# Altium PCB MB1849_LP.PcbDoc (part 1 of 2) (continued)
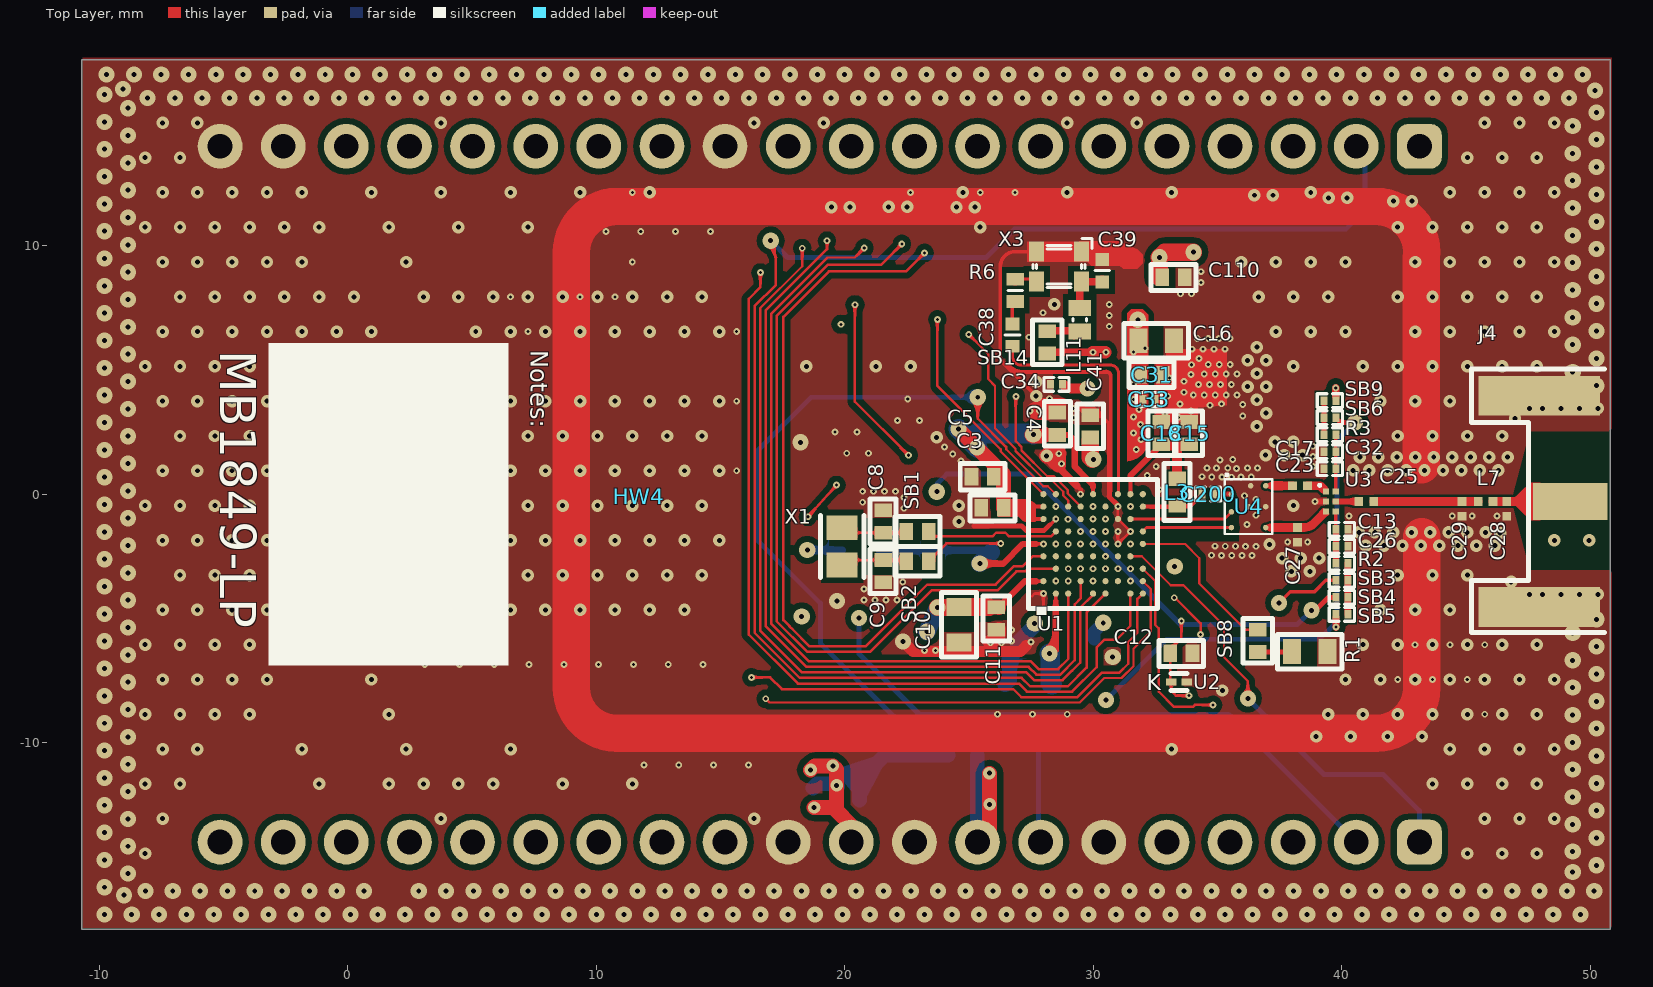
[diagram p0: Top Layer view]
## Footprints (in the part's own frame and the unit in brackets; to place one, negate y for a bottom-side part, rotate by r counter-clockwise, add the part's x,y. Pads: shape width x height; smd on the part's side, far side on the other; paste and mask are expansions set on the pad)
0201 [mm]
  rect 0.28x0.35 smd: 1(0,0) 2(0.48,0)
  silkscreen extent -0.27,-0.28 0.75,0.28, body extent -0.06,-0.15 0.54,0.15, height 0.3
BGA73C50P9X9_500X500X60 [mm] "BGA, 73-Leads, Body 5.00x5.00mmx0.60mm, Pitch 0.50mm"
  round 0.25 smd mask+0.05: A1(-2,2) A2(-1.5,2) A4(-0.5,2) A5(0,2) A7(1,2) A8(1.5,2) A9(2,2) B1(-2,1.5) B2(-1.5,1.5) B3(-1,1.5) B4(-0.5,1.5) B5(0,1.5) B6(0.5,1.5) B7(1,1.5) B8(1.5,1.5) B9(2,1.5) C1(-2,1) C2(-1.5,1) C3(-1,1) C4(-0.5,1) C5(0,1) C6(0.5,1) C7(1,1) C8(1.5,1) D2(-1.5,0.5) D3(-1,0.5) D4(-0.5,0.5) D5(0,0.5) D6(0.5,0.5) D7(1,0.5) D8(1.5,0.5) D9(2,0.5) E1(-2,0) E2(-1.5,0) E3(-1,0) E4(-0.5,0) E5(0,0) E6(0.5,0) E7(1,0) E8(1.5,0) E9(2,0) F1(-2,-0.5) F2(-1.5,-0.5) F3(-1,-0.5) F4(-0.5,-0.5) F5(0,-0.5) F6(0.5,-0.5) F7(1,-0.5) F8(1.5,-0.5) G2(-1.5,-1) G3(-1,-1) G4(-0.5,-1) G5(0,-1) G6(0.5,-1) G7(1,-1) G8(1.5,-1) G9(2,-1) H1(-2,-1.5) H2(-1.5,-1.5) H3(-1,-1.5) H4(-0.5,-1.5) H5(0,-1.5) H6(0.5,-1.5) H7(1,-1.5) H8(1.5,-1.5) H9(2,-1.5) J1(-2,-2) J2(-1.5,-2) J3(-1,-2) J5(0,-2) J6(0.5,-2) J8(1.5,-2) J9(2,-2)
  silkscreen extent -2.6,-2.6 2.6,2.6, body extent -2.5,-2.5 2.5,2.5, height 0.6
C0402 [mm]
  rect 0.51x0.56 smd mask+0.05: 1(-0.45,0) 2(0.45,0)
  silkscreen extent 0,-0.3 0,0.3, body extent -0.5,-0.31 0.5,0.31, height 0.4
CAPC1005X06N [mm] "Chip Capacitor, 2-Leads, Body 1.00x0.50x0.60mm (0402)"
  rect 0.55x0.7 smd: 1(-0.45,0) 2(0.45,0)
  silkscreen extent -0.9,-0.52 0.9,0.53, body extent -0.5,-0.25 0.5,0.25, height 0.6
CAPC1608X09N [mm] "Chip Capacitor, 2-Leads, Body 1.60x0.80x0.90mm (0603)"
  rect 0.725x1 smd: 1(-0.712,0) 2(0.712,0)
  Top Layer pour cut-out: -0.3,0.7 0.3,0.7 0.3,-0.7 -0.3,-0.7
  silkscreen extent -1.3,-0.7 1.3,0.7, body extent -0.8,-0.4 0.8,0.4, height 0.9
CO_SAMTEC_TSW-120-07-X-S [mm] "Header, 20-Leads, 50.80x2.54x10.80mm, Pitch 2.54mm"
  rrect50% 1.8x1.8 hole 1: 1(-24.13,0)
  round 1.8 hole 1: 2(-21.59,0) 3(-19.05,0) 4(-16.51,0) 5(-13.97,0) 6(-11.43,0) 7(-8.89,0) 8(-6.35,0) 9(-3.81,0) 10(-1.27,0) 11(1.27,0) 12(3.81,0) 13(6.35,0) 14(8.89,0) 15(11.43,0) 16(13.97,0) 17(16.51,0) 18(19.05,0) 19(21.59,0) 20(24.13,0)
  silkscreen extent -25.4,-1.27 25.4,1.27, body extent -25.46,-1.27 25.46,1.27, height 8.38
CRY_NDK_NT2016SB_4P [mm] "MCD-01492"
  rect 0.6x0.8 smd mask+0.05: 1(-0.9,-0.6) 2(0.9,-0.6) 3(0.9,0.6) 4(-0.9,0.6)
  silkscreen extent -1.32,-1.12 1.05,0.85, body extent -1.05,-0.85 1.05,0.85, height 0.81
DIOM0603X03N [mm] "Molded Diode, 2-Leads, Body 0.60x0.30mm"
  rect 0.425x0.3 smd: 1(-0.312,0) 2(0.312,0)
  silkscreen extent -0.33,-0.35 0.33,0.35, body extent -0.32,-0.18 0.33,0.18, height 0.33
IMPEDANCE_TABLE [mm]
IND_0402_MURATA_BLM15H_H0P5 [mm]
  rect 0.65x0.9 smd mask+0.05: 1(-0.475,0) 2(0.475,0)
  silkscreen extent -0.05,-0.28 0.05,0.28, body extent -0.53,-0.28 0.52,0.28, height 0.55
IND_MURATA_LQW15A [mm]
  rect 0.582x0.7 smd: 1(-0.53,0) 2(0.53,0)
  silkscreen extent -1.14,-0.53 1.14,0.53, body extent -0.5,-0.3 0.5,0.3, height 0.51
INDC1608X95N [mm] "Chip Inductor, 2-Leads, Body 1.75x0.95x0.95mm (0603)"
  rect 1.1x0.95 smd: 1(-0.75,0) 2(0.75,0)
  silkscreen extent -1.55,-0.72 1.55,0.72, body extent -0.8,-0.48 0.8,0.47, height 0.8
INDC2012X13N [mm] "Chip Inductor, 2-Leads, Body 2.0x1.2x1.3 (0805)"
  rect 0.96x1.4 smd: 1(-0.952,0) 2(0.952,0)
  silkscreen extent -1.65,-0.9 1.65,0.9, body extent -1,-0.65 1,0.65, height 1.18
"IPD STM" [mm] "IPD STM STM32WL, Body 2.20 x 1.90 x 0.710 mm (LxWxH max)"
  round 0.22 smd mask+0.05: 1(0.69,-0.5) 2(0.69,0.84) 3(0.69,0.21) 4(-0.69,0.84) 5(-0.69,0) 6(-0.69,-0.84) 7(-0.085,-0.84) 8(0,0)
  silkscreen extent -0.95,-1.33 0.95,1.1, body extent -0.84,-1 0.84,1, height 0.71
LOGO_MAIN [mm]
  silkscreen extent -3.24,-3.02 3.65,3.22
LOGO_ST [mm]
OSC_NDK_NX2012SA [mm] "Crystal, 2-Leads, Body 2.05x1.20x0.55mm (Tol:-/+0.05)"
  rect 1x1.25 smd: 1(-0.75,0) 2(0.75,0)
  silkscreen extent -1.25,-0.87 1.25,0.87, body extent -1.04,-0.63 1.03,0.63, height 0.55
R0402 [mm]
  rect 0.51x0.7 smd mask+0.05: 1(-0.45,0) 2(0.45,0)
  silkscreen extent 0,-0.3 0,0.3, body extent -0.52,-0.31 0.52,0.31, height 0.4
RESC1608X05N [mm] "Chip Resistor, 2-Leads, Body 1.60x0.80mm (0603)"
  rect 0.725x1 smd: 1(-0.713,0) 2(0.713,0)
  Top Layer pour cut-out: -0.3,0.7 0.3,0.7 0.3,-0.7 -0.3,-0.7
  silkscreen extent -1.3,-0.7 1.3,0.7, body extent -0.77,-0.42 0.78,0.43, height 0.45
rlc_201_smd [mm]
  rect 0.35x0.35 smd paste+0 mask+0.025: 1(-0.3,0) 2(0.3,0)
  body extent -0.3,-0.15 0.3,0.15, height 0.5
SB_0402 [mm] "Solder Bridge 0 Ohm (0402)"
  rect 0.55x0.7 smd: 1(-0.45,0) 2(0.45,0)
  silkscreen extent -0.9,-0.6 0.9,0.6, body extent -0.5,-0.25 0.5,0.25, height 0.25
SMA_AMPHENOL_50OHMS_EDGE_PCB [mm] "RF Connector, SMA End Launch Jack for 0.047 inch (1.19 mm thickness) PCB, 50 Ohm, Flat Tab Contact"
  rect 1.5x3 smd mask+0.05: 1(0,1.5)
  rect 1.6x4.9 smd mask+0.05: 2(-4.25,2.75) 2(4.25,2.75)
  rect 1.6x4.9 smd far side mask+0.05: 2(-4.25,2.75) 2(4.25,2.75)
  silkscreen extent -5.27,0.13 5.33,5.47, body extent -4.76,-9.65 4.76,4.62, height 4.09
TSNP-6-2 [mm] "TSNP-6-2; Body 1.1 x 0.7 mm (LxW typ)"
  rect 0.25x0.25 smd paste-0.025 mask+0.025: 1(-0.2,0.4) 2(-0.2,0) 3(-0.2,-0.4) 4(0.2,-0.4) 5(0.2,0) 6(0.2,0.4)
  silkscreen extent -0.5,0.6 -0.4,0.7, body extent -0.35,-0.55 0.35,0.55, height 0.45

## Part data
C1 C6 C10 C16 C35: library part MCD-00009, "Capacitor, MLCC, 4.7uF, 16V, X5R, 10%, 0603, T=0.8mm"
C2 C3 C4 C5 C7 C11 C12 C24 C31 C37 C41 C110: library part MCD-00102, "Capacitor, MLCC, 100nF, 16V, X7R, 10%, 0402, T=0,5mm"
C8 C9: library part MCD-00003, "Capacitor, MLCC, 5.1 pF, 50V, NPO, +-0.1pF, 0402, T=0.5mm"
C13 C23: "Multilayer ceramic capacitors X7R ±10%, 50V"
C14: library part MCD-00009, "Multilayer Ceramic Capacitors MLCC - SMD/SMT 16V 0.47uF X5R 0603 10%"
C15: library part MCD-01123, "Capacitor, MLCC,68pF, 50V, C0G, 1%, 0402, T=0.5mm"
C17 C25: "Multilayer ceramic capacitors COG ±5%, 50V"
C18: library part MCD-01123, "Capacitor, MLCC,47nF, 16V, X7R, 10%, 0402, T=0.5mm"
C26 C32: "Capacitor, MLCC, 100nF, 16V, X7R, 10%, 0402, T=0,5mm"
C27: library part RFCapacitor_201, "RF Capacitor High-Q, 0201"
C28 C29: "RF Capacitor High-Q, 0201"
C33 C34: library part MCD-00277, "Multilayer Ceramic Capacitors MLCC - SMD/SMT 0201 33pF 25volts C0G 5%"
C38: library part MCD-00015, "Capacitor, MLCC, 10pF, 50V, NPO, +/-5%, 0402, T=0,5mm"
C39: library part MCD-00011, "Capacitor, MLCC, 10nF, 16V, X7R, 10%, 0402, T=0.5mm"
C200: "Multilayer ceramic capacitors COG +/-5%, 50V"
CN1 CN2: "Connector right-angle, pitch 2.54mm, 20 contacts"
Designator16: library part MCD-00279
HW2: library part MCD-00627, "\"Hand\" ESD logo footprint for PCB"
HW4: library part MCD-00625, "\"STMicroelectronics\" logo footprint for PCB"
J4: library part SMA_thickness_1.19mm_AMPHENOL, "RF Connector, SMA End Launch Jack for 0.047 inch PCB, 50 Ohm, Flat Tab Contact"
L1: library part MCD-00047, "Ferrite Beads 0603 600 OHM"
L2: library part MCD-01433, "MLZ2012 Multilayer Shielded Inductor 15µH, ±5%"
L3: library part MCD-01330, "RF Inductor"
L7: library part RFInductor_201, "Thick Film Resistor ±5%, 1/20W"
L11: library part MCD-01610, "ferrite bead, 1400ohms at 1GHz, 250mA, 1.1ohms DC max"
R1: library part MCD-00220, "Resistor,10K,0603,1%,1/10W"
R2 R3: "Thick Film Resistors - SMD 1/20watt 100ohms 5% 200ppm"
R6: library part MCD-00427, "Resistor,220R,0402,1%,1/16W"
SB1 SB2 SB8 SB14: library part SB_0Ohm, "Solder Bridge 0R [0402] (Populated with 0 Ohm)"
SB3 SB6: library part SB_0Ohm, "Thick Film Resistors - SMD 1/20watt ZEROohm Jumper"
SB4 SB5 SB9 SB11: library part SB_Open, "Solder Bridge Open [0402] (Unpopulated)"
U1: library part MCD-01435, "Multiprotocol Wireless 32-bit MCUwith LPWAN Sub-GHz radio solution"
U2: library part MCD-00170, "ESD protection 6V1"
U3: "DC switch - Ultra-Low  SPDT analog switch"
U4: library part "IPD ST STM32WL"
X1: library part MCD-01479, "Crystal 32.768kHz, 6pF, -+20PPM, R=80K, SMD"
X3: library part MCD-01492, "NT2016SA-32M-END4263A"

## Free pads (board coordinates)
  round 0.508 on Mech16: 1(10.421,-43.899) 1(59.268,-43.899)

## Via types
v1: diameter 0.5, hole 0.2, Top Layer to Bottom Layer, 426 vias
v2: diameter 0.65, hole 0.2, Top Layer to Bottom Layer, 349 vias
v3: diameter 0.275, hole 0.125, Top Layer to MidLayer 1, 237 vias

## Nets (pads, with @x,y where several pads share a name; then routed paths per layer and width w, separated by ;. In a path a pad name is that pad's centre, name@x,y a point inside that pad or via, vN(x,y) a via of type N, cw(c..) or ccw(c..) an arc to the next point about the centre after c; other vN are vias at no path point)
GND: C1.1 C2.1 C3.1 C4.1 C5.1 C6.2 C7.2 C8.2 C9.2 C10.2 C11.2 C12.2 C13.2 C14.2 C15.1 C16.2 C18.2 C23.1 C24.2 C26.2 C27.1 C28.2 C29.2 C31.2 C32.2 C33.1 C34.1 C35.2 C37.2 C39.1 C41.2 C110.2 CN1.12 CN1.19 CN1.20 CN2.6 CN2.9 CN2.11 J4.2 R1.1 U1.A1 U1.B7 U1.D9 U1.E3 U1.G5 U1.G6 U1.G7 U1.G8 U1.H6 U2.2 U3.2 U4.5 U4.7 U4.8 X3.1 X3.2 | length 178.7
  Top Layer w0.1: 27.55,-4.1 27.65,-4 v3(28,-4) 28,-4.45 ; 28.26,-1.23 28.277,-1.23 ; v3(31,-1.5) v3(31,-2) v3(31.5,-1.5) U1.G7@31,-1 U1.G8@31,-0.456
  Top Layer w0.15: 27.129,4.929 cw(c27.129,5.562) 26.626,5.177 ; v1@27.614,4.053 26.49,5.177 ; X3.2@27.649,9.76 26.867,9.76 ccw(c26.867,9.159) 26.533,9.658 ccw(c26.867,9.159) 26.368,9.493 ccw(c26.867,9.159) 26.266,9.159 26.266,5.536 ccw(c26.626,5.536) 26.321,5.346 26.435,5.232 ; 28.277,-1.23 28.5,-1.008 v3(28.5,-1) ; v3(29.214,3.454) 30.034,3.454 30.634,2.854 30.634,-0.09 ; 30.529,4.929 cw(c30.529,4.748) 30.71,4.748 30.71,0.135 ccw(c31,0) 30.689,-0.075 cw(c30.634,-0.022) 30.634,-0.098 ; 26.435,5.232 ccw(c26.626,5.536) 26.626,5.177 ; 26.435,5.232 26.49,5.177 ; 26.49,5.177 26.626,5.177
  Top Layer w0.16: 27.129,4.924 30.529,4.924 30.529,4.929
  Top Layer w0.17: 29.338,0.347 29.5,0.185 v3(29.5,0)
  Top Layer w0.2: 25.208,-1.275 27.12,-1.275 27.3,-1.455 28.035,-1.455 28.26,-1.23 ; 30.634,-0.09 U1.G8@31,-0.456
  Top Layer w0.25: v3(38.932,-0.294) 38.935,-0.291 U3.2@39.369,-0.291
  Top Layer w0.3: 28.753,0.932 29.338,0.347
  Top Layer w0.45: v2(22.349,-5.934) 22.749,-6.334 27.072,-6.334 27.312,-6.094
  Top Layer w0.55: 31.606,9.448 31.613,9.454
  Top Layer w0.6: v3@25.865,-5.967 26.204,-5.628 C11.2@26.204,-5.452 ; v1@28.175,1.53 28.145,1.53 v1(28.132,1.544) 28.217,1.629 v3(28.621,1.629) 28.604,1.613 28.604,1.169 v1@28.212,1.561
  Top Layer w0.7: 27.67,3.355 27.708,3.355 v3(27.839,3.355) 28.058,3.355
  Top Layer w1.5: 43.203,1.185 43.203,9.519 ; 43.225,-7.823 43.225,-1.707 ; 43.228,-7.775 cw(c41.378,-7.775) 41.378,-9.625 10.853,-9.625 cw(c10.853,-7.775) 9.003,-7.775 9.003,9.725 cw(c10.853,9.725) 10.853,11.575 41.378,11.575 cw(c41.378,9.725) 43.228,9.725
  MidLayer 1 w0.1: 29.5,-5.45 29.375,-5.325 29.375,-4.675 29.708,-4.342 29.708,-3.292 v3(30,-3) 30.442,-3.442 ; 30.718,-4.6 30.85,-4.733 31.034,-4.916 31.034,-5.434 30.982,-5.486 31.272,-5.776 31.272,-6.066 v2(30.788,-6.55) ; 32.706,-0.294 v3(38.932,-0.294)
  MidLayer 1 w0.12: 30.442,-3.442 30.5,-3.5 30.5,-4.382 30.718,-4.6
  MidLayer 1 w0.2: v3(24.691,1.329) 24.918,1.329 25.049,1.199 25.179,1.199 27.378,-1 v3(28.5,-1) v3@28.415,-0.915 ; 31.932,-0.718 31.932,0.575 ; v3(38.932,-0.294) 39.719,-0.294 v3(40.302,-0.878) ; 40.287,0.475 40.464,0.652 v1(40.464,0.957)
  MidLayer 1 w0.25: v3(31.5,-1.5) 31.5,-1.131 31.245,-0.876 31.932,-0.876 ; 31.932,0.575 v3@32.089,0.732 ; 31.977,-0.876 32.05,-0.95 32.706,-0.294 ; v3(32.539,1.117) 32.544,1.112 32.561,1.112 32.578,1.096 33.881,1.096
  MidLayer 1 w0.3: v3(28.73,1.223) 29.5,0.452 v3(29.5,0) ; 37.831,-2.384 v3(37.831,-1.925) ; 38.635,-2.384 v3(38.635,-1.925) ; v3(38.844,1.111) v3(38.844,1.521) v3(38.844,1.93) ; v3(38.932,-0.294) 39.975,0.298 40.287,0.475 ; v1(44.308,-1.539) 44.451,-1.396 v3(44.451,-0.876) ; v1@45.051,-1.476 v1(45.051,-1.539) 45.254,-1.336 v3(45.254,-0.876) ; 46.253,-1.336 v3(46.253,-0.877)
  MidLayer 2 w0.55: 36.252,6.537 37.096,6.537 38.64,4.993
  other v1: -8.142,-14.458 45.058,-14.458 46.458,-14.458 47.858,-14.458 -7.442,-13.058 3.758,-13.058 16.358,-13.058 45.758,-13.058 47.158,-13.058 48.558,-13.058 -8.142,-11.658 -6.742,-11.658 -1.142,-11.658 1.658,-11.658 3.058,-11.658 4.458,-11.658 5.858,-11.658 8.658,-11.658 11.458,-11.658 43.658,-11.658 45.058,-11.658 46.458,-11.658 47.858,-11.658 -7.442,-10.258 -6.042,-10.258 -1.842,-10.258 2.358,-10.258 6.558,-10.258 33.158,-10.258 44.358,-10.258 45.758,-10.258 47.158,-10.258 48.558,-10.258 38.976,-9.752 40.363,-9.752 41.849,-9.752 43.235,-9.752 -8.142,-8.858 -6.742,-8.858 -5.342,-8.858 -3.942,-8.858 1.658,-8.858 39.458,-8.858 40.858,-8.858 42.258,-8.858 43.658,-8.858 45.058,-8.858 46.458,-8.858 47.858,-8.858 35.2,-7.9 -7.442,-7.458 -6.042,-7.458 -4.642,-7.458 -3.242,-7.458 0.958,-7.458 40.158,-7.458 41.558,-7.458 42.958,-7.458 44.358,-7.458 45.758,-7.458 47.158,-7.458 48.558,-7.458 -8.142,-6.058 -6.742,-6.058 -5.342,-6.058 -3.942,-6.058 -2.542,-6.058 -1.142,-6.058 40.858,-6.058 42.258,-6.058 43.658,-6.058 45.058,-6.058 46.458,-6.058 47.858,-6.058 -7.442,-4.658 -6.042,-4.658 -4.642,-4.658 -3.242,-4.658 -1.842,-4.658 -0.442,-4.658 0.958,-4.658 2.358,-4.658 3.758,-4.658 5.158,-4.658 6.558,-4.658 7.958,-4.658 9.358,-4.658 10.758,-4.658 12.158,-4.658 13.558,-4.658 41.558,-4.658 42.958,-4.658 44.358,-4.658 47.556,-4.035 48.08,-4.035 48.823,-4.035 49.566,-4.035 50.31,-4.035 46.826,-3.53 -6.742,-3.258 -5.342,-3.258 -3.942,-3.258 -2.542,-3.258 -1.142,-3.258 0.258,-3.258 1.658,-3.258 3.058,-3.258 4.458,-3.258 5.858,-3.258 7.258,-3.258 8.658,-3.258 10.058,-3.258 11.458,-3.258 12.858,-3.258 14.258,-3.258 42.258,-3.258 43.658,-3.258 45.058,-3.258 37.981,-3.102 38.724,-3.102 37.609,-2.571 38.352,-2.571 39.095,-2.571 40.964,-2.071 41.707,-2.071 42.45,-2.071 43.193,-2.071 43.936,-2.071 44.679,-2.071 45.423,-2.071 46.166,-2.071 37.099,-2.019 -7.442,-1.858 -6.042,-1.858 -4.642,-1.858 -3.242,-1.858 -1.842,-1.858 -0.442,-1.858 0.958,-1.858 2.358,-1.858 3.758,-1.858 5.158,-1.858 6.558,-1.858 7.958,-1.858 9.358,-1.858 10.758,-1.858 12.158,-1.858 13.558,-1.858 14.958,-1.858 48.558,-1.858 49.958,-1.858 46.376,-1.564 40.692,-1.539 41.335,-1.539 42.078,-1.539 42.821,-1.539 43.564,-1.539 45.794,-1.539 24.598,-1.104 -8.142,-0.458 -6.742,-0.458 -5.342,-0.458 -3.942,-0.458 -2.542,-0.458 -1.142,-0.458 0.258,-0.458 1.658,-0.458 3.058,-0.458 4.458,-0.458 5.858,-0.458 7.258,-0.458 8.658,-0.458 10.058,-0.458 11.458,-0.458 12.858,-0.458 14.258,-0.458 24.598,-0.458 38.058,-0.458 -7.442,0.942 -6.042,0.942 -4.642,0.942 -3.242,0.942 -1.842,0.942 -0.442,0.942 0.958,0.942 2.358,0.942 3.758,0.942 5.158,0.942 6.558,0.942 7.958,0.942 9.358,0.942 10.758,0.942 12.158,0.942 13.558,0.942 14.958,0.942 41.107,0.957 41.85,0.957 42.593,0.957 43.337,0.957 44.08,0.957 44.823,0.957 45.566,0.957 46.309,0.957 40.736,1.488 41.479,1.488 42.222,1.488 42.965,1.488 43.708,1.488 44.452,1.488 45.195,1.488 45.938,1.488 46.681,1.488 36.944,1.574 37.687,1.574 38.43,1.574 37.316,2.106 38.059,2.106 23.706,2.287 -6.742,2.342 -5.342,2.342 -3.942,2.342 -2.542,2.342 -1.142,2.342 0.258,2.342 1.658,2.342 3.058,2.342 4.458,2.342 5.858,2.342 7.258,2.342 8.658,2.342 10.058,2.342 11.458,2.342 12.858,2.342 14.258,2.342 42.258,2.342 43.658,2.342 45.058,2.342 46.458,2.342 36.588,2.731 46.976,3.05 36.96,3.263 47.556,3.451 48.08,3.451 48.823,3.451 49.566,3.451 50.31,3.451 -7.442,3.742 -6.042,3.742 -4.642,3.742 -3.242,3.742 -1.842,3.742 -0.442,3.742 0.958,3.742 2.358,3.742 3.758,3.742 5.158,3.742 6.558,3.742 7.958,3.742 9.358,3.742 10.758,3.742 12.158,3.742 13.558,3.742 14.958,3.742 41.558,3.742 42.958,3.742 44.358,3.742 36.589,3.794 27.708,3.949 36.218,4.326 36.961,4.326 27.708,4.532 36.59,4.857 -8.142,5.142 -6.742,5.142 -5.342,5.142 -3.942,5.142 -2.542,5.142 -1.142,5.142 0.258,5.142 1.658,5.142 3.058,5.142 18.458,5.142 21.258,5.142 22.658,5.142 38.058,5.142 40.858,5.142 42.258,5.142 43.658,5.142 45.058,5.142 46.458,5.142 47.858,5.142 36.219,5.389 36.962,5.389 36.591,5.92 -7.442,6.542 -6.042,6.542 -4.642,6.542 -3.242,6.542 -1.842,6.542 -0.442,6.542 0.958,6.542 5.158,6.542 6.558,6.542 7.958,6.542 9.358,6.542 10.758,6.542 12.158,6.542 13.558,6.542 14.958,6.542 37.358,6.542 38.758,6.542 40.158,6.542 42.958,6.542 44.358,6.542 45.758,6.542 47.158,6.542 48.558,6.542 28.441,7.636 -6.742,7.942 -5.342,7.942 -3.942,7.942 -2.542,7.942 -1.142,7.942 0.258,7.942 3.058,7.942 4.458,7.942 5.858,7.942 7.258,7.942 8.658,7.942 10.058,7.942 11.458,7.942 12.858,7.942 14.258,7.942 36.658,7.942 38.058,7.942 39.458,7.942 42.258,7.942 43.658,7.942 45.058,7.942 46.458,7.942 47.858,7.942 -7.442,9.342 -6.042,9.342 -4.642,9.342 -3.242,9.342 -1.842,9.342 2.358,9.342 35.958,9.342 37.358,9.342 38.758,9.342 40.158,9.342 42.958,9.342 44.358,9.342 45.758,9.342 47.158,9.342 48.558,9.342 -8.142,10.742 -6.742,10.742 -5.342,10.742 -3.942,10.742 -2.542,10.742 -1.142,10.742 1.658,10.742 4.458,10.742 7.258,10.742 25.458,10.742 42.258,10.742 43.658,10.742 45.058,10.742 46.458,10.742 47.858,10.742 19.467,11.55 20.21,11.55 24.503,11.554 25.246,11.554 21.776,11.558 22.519,11.558 42.082,11.793 42.825,11.793 39.477,11.926 40.22,11.926 36.488,12.029 37.231,12.029 -7.442,12.142 -6.042,12.142 -4.642,12.142 -3.242,12.142 -1.842,12.142 0.958,12.142 3.758,12.142 6.558,12.142 9.358,12.142 12.158,12.142 24.758,12.142 28.958,12.142 33.158,12.142 38.758,12.142 44.358,12.142 45.758,12.142 47.158,12.142 48.558,12.142 -8.142,13.542 -6.742,13.542 45.058,13.542 46.458,13.542 47.858,13.542 -7.442,14.942 -6.042,14.942 3.758,14.942 16.358,14.942 19.158,14.942 28.958,14.942 31.758,14.942 45.758,14.942 47.158,14.942 48.558,14.942
  other v2: -9.785,-16.917 -8.685,-16.917 -7.585,-16.917 -6.485,-16.917 -5.385,-16.917 -4.285,-16.917 -3.185,-16.917 -2.085,-16.917 -0.985,-16.917 0.115,-16.917 1.215,-16.917 2.315,-16.917 3.415,-16.917 4.515,-16.917 5.615,-16.917 6.715,-16.917 7.815,-16.917 8.915,-16.917 10.015,-16.917 11.115,-16.917 12.215,-16.917 13.315,-16.917 14.415,-16.917 15.515,-16.917 16.615,-16.917 17.715,-16.917 18.815,-16.917 19.915,-16.917 21.015,-16.917 22.115,-16.917 23.215,-16.917 24.315,-16.917 25.415,-16.917 26.515,-16.917 27.615,-16.917 28.715,-16.917 29.815,-16.917 30.915,-16.917 32.015,-16.917 33.115,-16.917 34.215,-16.917 35.315,-16.917 36.415,-16.917 37.515,-16.917 38.615,-16.917 39.715,-16.917 40.815,-16.917 41.915,-16.917 43.015,-16.917 44.115,-16.917 45.215,-16.917 46.315,-16.917 47.415,-16.917 48.515,-16.917 49.615,-16.917 -8.995,-16.137 -8.135,-15.964 -7.035,-15.964 -5.935,-15.964 -4.835,-15.964 -3.735,-15.964 -2.635,-15.964 -1.535,-15.964 -0.435,-15.964 0.665,-15.964 2.865,-15.964 3.965,-15.964 5.065,-15.964 6.165,-15.964 7.265,-15.964 8.365,-15.964 9.465,-15.964 10.565,-15.964 11.665,-15.964 12.765,-15.964 13.865,-15.964 14.965,-15.964 16.065,-15.964 17.165,-15.964 18.265,-15.964 19.365,-15.964 20.465,-15.964 21.565,-15.964 22.665,-15.964 23.765,-15.964 24.865,-15.964 25.965,-15.964 27.065,-15.964 28.165,-15.964 29.265,-15.964 30.365,-15.964 31.465,-15.964 32.565,-15.964 33.665,-15.964 34.765,-15.964 35.865,-15.964 36.965,-15.964 38.065,-15.964 39.165,-15.964 40.265,-15.964 41.365,-15.964 42.465,-15.964 43.565,-15.964 44.665,-15.964 45.765,-15.964 46.865,-15.964 47.965,-15.964 49.065,-15.964 50.165,-15.964 -9.785,-15.817 -8.832,-15.267 49.3,-15.203 50.253,-14.934 -9.785,-14.717 49.3,-14.384 -8.832,-14.167 50.253,-13.834 -9.785,-13.617 49.3,-13.284 -8.832,-13.067 50.253,-12.734 -9.785,-12.517 49.3,-12.184 -8.832,-11.967 50.253,-11.634 -9.785,-11.417 49.3,-11.084 -8.832,-10.867 50.253,-10.534 -9.785,-10.317 49.3,-9.984 -8.832,-9.767 50.253,-9.434 -9.785,-9.217 49.3,-8.884 -8.832,-8.667 50.253,-8.334 -9.785,-8.117 49.3,-7.784 -8.832,-7.567 50.253,-7.234 -9.785,-7.017 49.3,-6.684 -8.832,-6.467 50.253,-6.134 -9.785,-5.917 49.3,-5.584 -8.832,-5.367 50.253,-5.034 -9.785,-4.817 19.7,-4.3 -8.832,-4.267 -9.785,-3.717 -8.832,-3.167 -9.785,-2.617 -8.832,-2.067 -9.785,-1.517 -8.832,-0.967 -9.785,-0.417 -8.832,0.133 -9.785,0.683 -8.832,1.233 -9.785,1.783 18.221,2.087 -8.832,2.333 -9.785,2.883 -8.832,3.433 -9.785,3.983 50.253,4.366 -8.832,4.533 49.3,4.916 -9.785,5.083 50.253,5.466 -8.832,5.633 49.3,6.016 -9.785,6.183 50.253,6.566 -8.832,6.733 49.3,7.116 -9.785,7.283 50.253,7.666 -8.832,7.833 49.3,8.216 -9.785,8.383 50.253,8.766 -8.832,8.933 49.3,9.316 -9.785,9.483 50.253,9.866 -8.832,10.033 49.3,10.416 -9.785,10.583 50.253,10.966 -8.832,11.133 49.3,11.516 -9.785,11.683 50.253,12.066 -8.832,12.233 49.3,12.616 -9.785,12.783 50.253,13.166 -8.832,13.333 49.3,13.716 -9.785,13.883 50.253,14.266 -8.832,14.433 49.3,14.816 -9.785,14.983 50.253,15.366 -8.832,15.533 -8.048,15.942 -6.948,15.942 -5.848,15.942 -4.748,15.942 -3.648,15.942 -2.548,15.942 -1.448,15.942 -0.348,15.942 0.752,15.942 1.852,15.942 2.952,15.942 4.052,15.942 5.152,15.942 6.252,15.942 7.352,15.942 8.452,15.942 9.552,15.942 10.652,15.942 11.752,15.942 12.852,15.942 13.952,15.942 15.052,15.942 16.152,15.942 17.252,15.942 18.352,15.942 19.452,15.942 20.552,15.942 21.652,15.942 22.752,15.942 23.852,15.942 24.952,15.942 26.052,15.942 27.152,15.942 28.252,15.942 29.352,15.942 30.452,15.942 31.552,15.942 32.652,15.942 33.752,15.942 34.852,15.942 35.952,15.942 37.052,15.942 38.152,15.942 39.252,15.942 40.352,15.942 41.452,15.942 42.552,15.942 43.652,15.942 44.752,15.942 45.852,15.942 46.952,15.942 48.052,15.942 49.152,15.942 -9.785,16.083 50.199,16.25 -9.03,16.301 -9.698,16.895 -8.598,16.895 -7.498,16.895 -6.398,16.895 -5.298,16.895 -4.198,16.895 -3.098,16.895 -1.998,16.895 -0.898,16.895 0.202,16.895 1.302,16.895 2.402,16.895 3.502,16.895 4.602,16.895 5.702,16.895 6.802,16.895 7.902,16.895 9.002,16.895 10.102,16.895 11.202,16.895 12.302,16.895 13.402,16.895 14.502,16.895 15.602,16.895 16.702,16.895 17.802,16.895 18.902,16.895 20.002,16.895 21.102,16.895 22.202,16.895 23.302,16.895 24.402,16.895 25.502,16.895 26.602,16.895 27.702,16.895 28.802,16.895 29.902,16.895 31.002,16.895 32.102,16.895 33.202,16.895 34.302,16.895 35.402,16.895 36.502,16.895 37.602,16.895 38.702,16.895 39.802,16.895 40.902,16.895 42.002,16.895 43.102,16.895 44.202,16.895 45.302,16.895 46.402,16.895 47.502,16.895 48.602,16.895 49.702,16.895
  other v3: 11.929,-10.901 13.329,-10.901 14.729,-10.901 16.129,-10.901 26.158,-8.858 27.558,-8.858 28.958,-8.858 45.758,-8.858 42.258,-7.458 43.658,-7.458 45.058,-7.458 3.104,-6.848 4.504,-6.848 5.904,-6.848 7.304,-6.848 8.704,-6.848 10.104,-6.848 11.504,-6.848 12.904,-6.848 14.304,-6.848 23.218,-6.285 23.659,-6.285 42.958,-6.058 44.358,-6.058 45.758,-6.058 25.872,-5.978 26.313,-5.978 27.495,-5.952 26.724,-5.91 26.723,-5.469 20.78,-4.252 21.221,-4.252 21.662,-4.252 22.103,-4.252 20.78,-3.811 22.343,-3.539 34.76,-2.458 35.17,-2.461 35.58,-2.461 35.989,-2.464 36.399,-2.464 34.91,-2.092 35.32,-2.095 35.73,-2.095 36.139,-2.098 36.549,-2.098 36.194,-1.218 36.558,-0.848 22.388,-0.568 31,-0.5 20.728,-0.326 36.558,-0.216 22.388,-0.127 36.088,-0.062 20.728,0.115 21.169,0.115 21.61,0.115 22.051,0.115 32.663,0.181 34.387,0.704 34.775,0.69 35.179,0.69 35.574,0.684 35.953,0.688 36.362,0.691 32.18,0.759 15.658,0.942 35.764,1.032 34.58,1.049 34.961,1.048 35.419,1.048 36.212,1.057 36.622,1.057 35.112,1.38 35.618,1.399 24.353,1.613 20.086,1.648 20.967,1.648 24.015,1.896 19.617,2.501 20.499,2.501 22.128,2.971 23.009,2.971 29.224,3.075 33.433,3.093 36.021,3.141 32.888,3.259 27.459,3.346 33.945,3.349 34.701,3.577 33.493,3.625 36.021,3.606 35.172,3.637 15.658,3.742 22.541,3.824 28.244,3.84 33.005,3.943 34.033,3.989 34.474,3.989 34.915,3.989 35.356,3.989 35.797,3.989 33.655,4.101 34.24,4.416 34.681,4.416 35.122,4.416 35.563,4.416 33.655,4.542 33.075,4.673 33.942,4.813 34.474,4.842 34.915,4.842 35.356,4.842 35.797,4.842 33.966,5.21 34.634,5.213 35.075,5.213 35.516,5.213 34.266,5.464 33.986,5.835 34.426,5.835 34.867,5.835 35.308,5.835 34.19,6.264 34.631,6.264 35.072,6.264 35.513,6.265 27.418,6.313 7.258,6.542 15.658,6.542 30.649,6.755 30.649,7.196 27.987,7.3 30.649,7.637 6.558,7.942 9.358,7.942 10.758,7.942 33.521,8.066 33.962,8.066 34.337,8.513 34.337,8.954 11.458,9.342 10.399,10.57 11.799,10.57 13.199,10.57 14.599,10.57 11.458,12.142 22.658,12.142 25.458,12.142 26.858,12.142
NetC6_1: C6.1 C7.1 L1.2 U1.A5 U1.B5 | length 8.2
  Top Layer w0.15: 27.7,-2 v3(28,-2)
  Top Layer w0.25: v2@25.623,-2.796 26.378,-2.796 27.174,-2 27.7,-2
  MidLayer 1 w0.1: v3(28,-2) v3(28.5,-2)
  Bottom Layer w0.25: C6.1@23.45,-2.462 C6.1@23.462,-2.45
  Bottom Layer w0.3: L1.2@21.4,-2.262 C6.1@23.55,-2.262 ; C6.1@23.678,-2.266 23.688,-2.256 C7.1@25.89,-2.256
  Bottom Layer w0.7: v2(25.441,-2.788) C7.1@25.9,-2.33
NetC8_1: C8.1 SB1.2 X1.2 | length 2.8
  Top Layer w0.1: X1.2@19.9,-1.75 X1.2@19.95,-1.8 ; X1.2@19.9,-1.35 20.1,-1.55 C8.1@21.55,-1.55 22.431,-1.55 SB1.2@22.481,-1.5
NetC9_1: C9.1 SB2.2 X1.1 | length 3
  Top Layer w0.1: X1.1@19.9,-3.25 X1.1@20.15,-3 ; X1.1@19.9,-2.85 20.1,-2.65 C9.1@21.55,-2.65 22.431,-2.65 SB2.2@22.481,-2.7
NetC12_1: C12.1 CN2.5 U1.F5 U2.1 | length 15.2
  Top Layer w0.1: U2.1@33.1,-7.513 33.1,-6.251 33.55,-5.801 v3(33.55,-5.1) ; U2.1@33.144,-7.557 33.144,-7.92 33.331,-8.108 v3(33.853,-8.108)
  MidLayer 1 w0.1: v3(30.5,-2) 30.96,-2.46 31.923,-2.46 33.193,-3.73 33.447,-3.73 33.703,-3.986 33.703,-4.349 33.55,-4.502 v3(33.55,-5.1) ; CN2.5@32.97,-14 32.97,-11.898 33.853,-11.015 v3(33.853,-8.108)
NetC13_1: C13.1 C26.1 R2.1 U3.4 | length 2.1
  Top Layer w0.15: U3.4@39.769,-0.691 39.769,-1.41 C13.1@39.771,-1.413
  Top Layer w0.25: R2.1@39.771,-2.781 C26.1@39.771,-2.097 C13.1@39.771,-1.413
NetC15_2: C15.2 C18.1 L3.2 U1.H9 | length 5.3
  Top Layer w0.17: U1.H9@31.5,0 31.5,0.74
  Top Layer w0.25: 31.5,0.74 C18.1@32.65,1.889
  Top Layer w0.4: L3.2@33.38,0.707 33.38,2.005 C15.2@33.869,2.005
  Top Layer w0.5: C18.1@32.741,2.005 33.38,2.005 C15.2@33.869,2.005
NetC17_1: C17.1 U3.1 | length 0.7
  Top Layer w0.35: C17.1@38.628,0.34 39.137,0.34 U3.1@39.297,0.181
NetC17_2: C17.2 U4.6 | length 0.5
  Top Layer w0.35: 37.518,0.34 37.721,0.34 C17.2@38.028,0.34
NetC23_2: C23.2 C32.1 R3.1 U3.6 | length 2.1
  Top Layer w0.15: U3.6@39.769,0.109 39.769,0.827 ; C23.2@39.769,1.027 39.769,1.417 C32.1@39.769,1.713 R3.1@39.769,2.397
NetC25_1: C25.1 U3.5 | length 0.9
  Top Layer w0.25: U3.5@39.769,-0.291 C25.1@40.692,-0.291
NetC25_2: C25.2 C29.1 L7.1 | length 4.2
  Top Layer w0.35: C25.2@41.292,-0.291 C29.1@44.844,-0.291 L7.1@45.496,-0.292
NetC27_2: C27.2 U3.3 U4.4 | length 1.9
  Top Layer w0.35: 37.518,-1.34 C27.2@38.224,-1.34 38.496,-1.34 ccw(c38.496,-0.799) 38.878,-1.182 39.244,-0.816
NetC28_1: C28.1 J4.1 L7.2 | length 3.1
  Top Layer w0.35: L7.2@46.096,-0.292 C28.1@46.646,-0.292 ; C28.1@46.646,-0.291 49.15,-0.291 ccw(c49.15,-0.22) J4.1@49.2,-0.27
NetC38_1: C38.1 R6.2 | length 1
  Top Layer w0.15: C38.1@26.751,6.849 26.751,7.754 R6.2@26.866,7.754
NetC39_2: C39.2 L11.1 X3.4 | length 2
  Top Layer w0.3: L11.1@29.463,7.494 29.463,8.56 X3.4@29.529,8.56 29.529,8.546 C39.2@30.364,8.546
  Top Layer w0.5: C39.2@30.364,8.546 C39.2@30.369,8.541
  Top Layer w0.55: L11.1@29.456,7.501 L11.1@29.463,7.494
NetC200_1: C200.1 U4.1 | length 0.7
  Top Layer w0.2: C200.1@34.866,0.004 35.555,0.004 35.562,-0.002 U4.1@35.567,-0.002
NetC200_2: C200.2 L3.1 U1.J8 | length 2.6
  Top Layer w0.17: U1.J8@32,-0.5 32.31,-0.499
  Top Layer w0.185: 32.31,-0.499 33.38,-0.499 33.397,-0.483 33.9,-0.483 34.304,-0.079 34.339,-0.079 34.386,-0.031 C200.2@34.386,0.004
NetCN1_1: CN1.1 SB9.1 | length 11.6
  Top Layer w0.3: SB9.1@39.766,3.905 v3(39.766,4.278)
  MidLayer 1 w0.3: v3(39.766,4.278) 39.766,5.017 41.247,6.498 41.247,12.389 42.858,14 CN1.1@43.13,14
NetCN1_2: CN1.2 U1.F1 | length 61.7
  Top Layer w0.1: v2(17.028,10.201) 17.234,9.492 17.234,8.424 16.382,7.571 16.382,-5.574 18.197,-7.389 27.125,-7.389 27.463,-7.728 28.991,-7.728 29.743,-6.976 29.743,-4.757 U1.F1@30.5,-4
  Bottom Layer w0.2: v2(17.028,10.201) 17.704,9.524 25.7,9.524 26.84,10.664 40.173,10.664 40.939,11.43 40.939,13.651 CN1.2@40.59,14
NetCN1_3: CN1.3 U1.D8 | length 21.7
  Top Layer w0.09: 26.887,2.123 26.887,2.116 26.907,2.116 27.122,1.901 27.122,1.754 28.15,0.726 28.15,0.719 28.426,0.719 28.977,0.168 28.977,0.023 U1.D8@29.5,-0.5
  Top Layer w0.1: 26.887,2.123 26.887,3.925 v3(26.895,3.933)
  MidLayer 1 w0.1: v3(26.895,3.933) 26.895,5.073 32.735,10.913 33.603,10.913 35.355,12.665 36.715,12.665 CN1.3@38.05,14
NetCN1_4: CN1.4 U1.E7 | length 21.5
  MidLayer 1 w0.1: v3(30,-1) 29.834,-1 28.217,0.617 28.217,0.66 26.455,2.422 26.455,6.521 31.239,11.306 33.24,11.306 35.51,13.575 CN1.4@35.51,14
NetCN1_5: CN1.5 U1.E6 | length 19.8
  MidLayer 1 w0.1: v3(30,-1.5) 30,-1.434 26.235,2.331 26.235,6.856 32.97,13.591 CN1.5@32.97,14
NetCN1_6: CN1.6 U1.B8 | length 17.4
  MidLayer 1 w0.1: v3(28.5,-0.5) 27.431,0.569 27.431,0.75 26.015,2.166 26.015,7.643 30.43,12.059 CN1.6@30.43,14
NetCN1_7: CN1.7 U1.C8 | length 17.5
  Top Layer w0.09: v3(24.998,6.424) 25.78,5.642 25.78,4.63 26.055,4.355 26.055,2.651 26.882,1.825 26.882,1.733 28.076,0.539 28.351,0.539 28.797,0.094 28.797,-0.051 29,-0.255 U1.C8@29,-0.5
  MidLayer 1 w0.09: v3(24.998,6.424) 24.998,7.576 27.89,10.468 CN1.7@27.89,14
NetCN1_8: CN1.8 U1.A9 | length 17
  Top Layer w0.09: 26.281,1.719 U1.A9@28,0
  Top Layer w0.1: v3(23.733,7.031) 23.733,4.358 26.281,1.81 26.281,1.719
  MidLayer 1 w0.1: v3(23.733,7.031) 23.733,7.52 26.068,9.855 26.068,12.489 25.35,13.207 CN1.8@25.35,14
NetCN1_9: CN1.9 U1.C3 | length 36.8
  MidLayer 1 w0.1: CN1.9@22.81,14 22.81,12.73 23.55,11.99 23.55,11.042 24.255,10.336 24.255,9.122 21.968,6.835 v3(19.85,6.835) 19.85,5.25 19.096,4.496 19.096,-0.449 19.291,-0.644 19.291,-2.707 18.275,-3.724 v2(18.275,-4.925) 20.519,-7.169 23.663,-7.169 26.807,-4.025 27.375,-4.025 28.4,-3 v3(29,-3)